# Altium PCB USB3.2_Hub_4Port.PcbDoc (part 4 of 4) (continued)
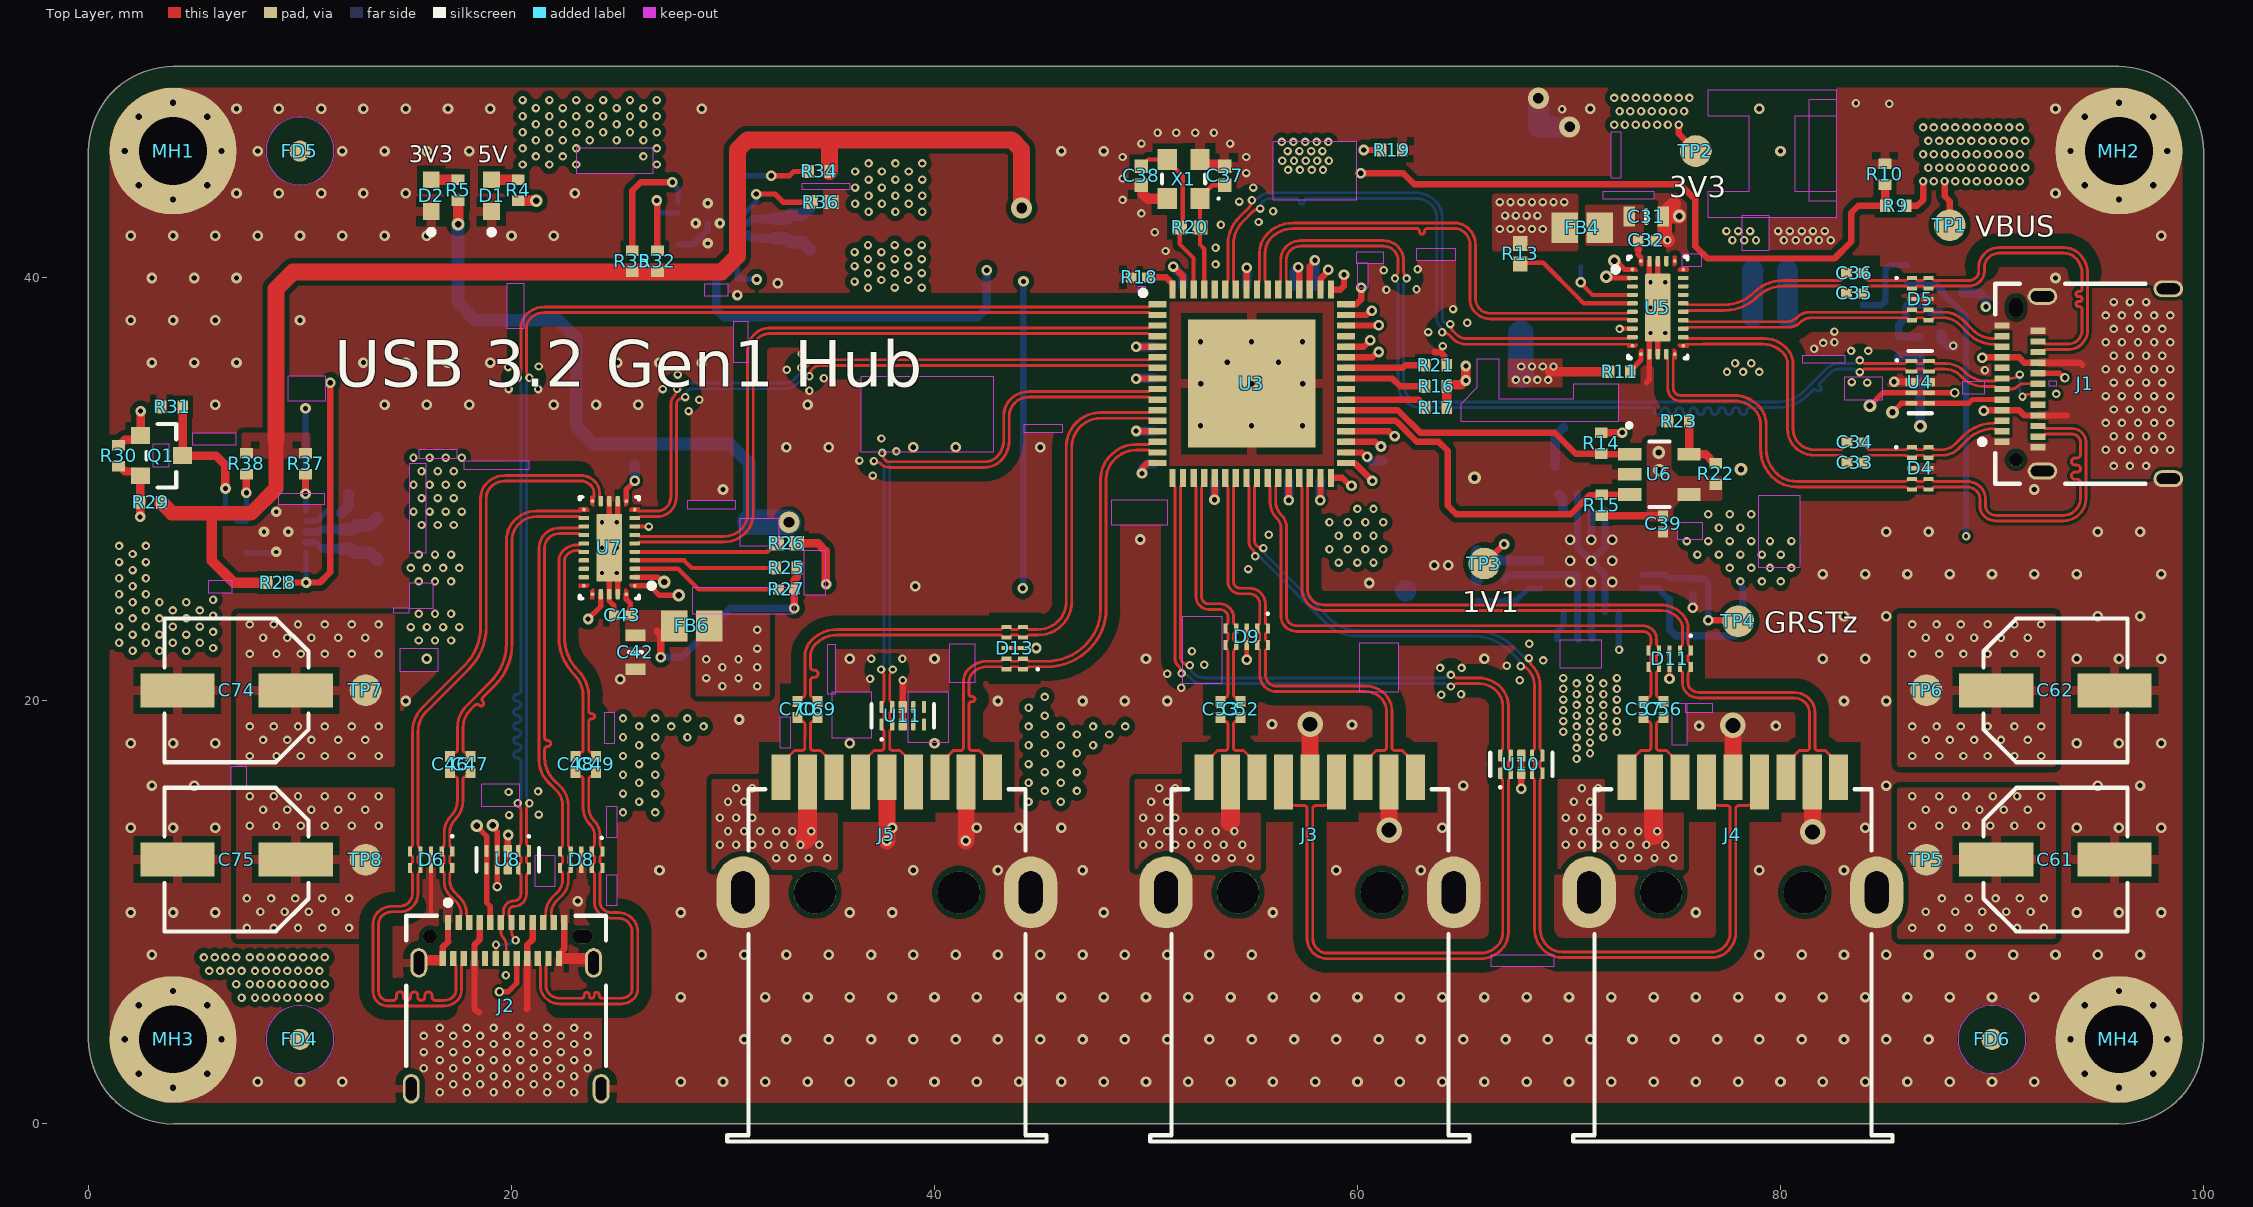
[diagram p0: Top Layer view]
## Nets (pads, with @x,y where several pads share a name; then routed paths per layer and width w, separated by ;. In a path a pad name is that pad's centre, name@x,y a point inside that pad or via, vN(x,y) a via of type N, cw(c..) or ccw(c..) an arc to the next point about the centre after c; other vN are vias at no path point) (continued)
pads on no net: FD1. FD2. FD3. FD4. FD5. FD6. J1. J1.A8 J1.B8 J2. J2.A8 J2.B8 J3.MH1 J3.MH2 J4.MH1 J4.MH2 J5.MH1 J5.MH2 U3.40 U3.45 U3.60 U5.3 U5.22 U5.23 U5.24 U5.25 U5.26 U5.27 U7.22 U7.23 U7.24 U7.25 U7.26 U11.4 U11.5 U11.6 U11.7

## Polygon pours and split planes (outlines as drawn)
DN4_VBUS on Bottom Layer "NONET_L-01_P-001" (solid, pour order 40): 68.275,16.688 73.228,16.688 73.304,16.764 73.304,21.565 73.228,21.641 69.164,21.641 68.275,20.752
GND on Bottom Layer "NONET_L-01_P-001" (solid, remove dead copper, pour order 60): 0,50.013 0,0 99.873,0 99.873,50
3V3_VDD on Bottom Layer "NONET_L-01_P-001" (solid, pour order 8): 72.238,29.642 80.899,29.642 80.899,25.095 80.832,25.028 77.114,25.019 77.013,25.121 77.013,26.289 76.886,26.416 72.695,26.416 72.161,26.949 72.161,29.566
3V3_VDD_F on Bottom Layer "NONET_L-01_P-001" (solid, pour order 56): 64.745,37.758 63.957,36.322 63.957,34.9 64.033,34.823 66.675,34.823 66.751,34.9 66.751,44.831 64.795,44.831 64.795,44.044
3V3_VDD_F on Bottom Layer "NONET_L-01_P-001" (solid, pour order 7): 71.45,46.229 71.45,44.12 71.374,44.044 64.795,44.044 64.135,44.704 56.21,44.704 56.134,44.78 56.134,48.463 56.21,48.539 67.462,48.539 67.564,48.438 67.564,46.229
5V_VBUS on Bottom Layer "NONET_L-01_P-001" (solid, pour order 52): 85.268,40.183 85.268,41.681 86.258,42.672 86.258,47.574 86.335,47.65 91.973,47.65 92.05,47.574 92.05,43.332 91.973,43.256 89.764,43.256 89.484,42.977 89.484,40.183
5V_VBUS on Bottom Layer "NONET_L-01_P-001" (solid, pour order 50): 4.953,26.492 4.953,25.248 6.426,25.248 6.528,25.146 6.528,22.047 6.452,21.971 1.118,21.971 1.016,22.047 1.016,27.762 1.092,27.838 3.15,27.838 3.226,27.762 3.226,26.645 3.378,26.492
5V_VBUS on Bottom Layer "NONET_L-01_P-001" (solid, pour order 49): 20.168,44.831 27.178,44.831 27.33,44.983 27.33,48.92 27.254,48.997 20.168,48.997 20.091,48.92 20.091,44.907
3V3_VDD on Bottom Layer "NONET_L-01_P-001" (solid, pour order 45): 67.107,36.17 69.672,36.17 69.672,34.823 67.107,34.823
DN3_VBUS on Bottom Layer "NONET_L-01_P-001" (solid, pour order 39): 47.445,14.908 47.523,14.986 47.523,16.688 49.733,16.688 49.733,19.329 49.657,19.406 46.761,19.406 45.644,20.523 43.967,20.523 43.891,20.447 43.891,14.986 43.97,14.908
DN1_VBUS on Bottom Layer "NONET_L-01_P-001" (solid, pour order 38): 4.928,8.28 5.004,8.357 12.852,8.357 12.852,5.588 12.776,5.512 4.928,5.512
DN2_VBUS on Bottom Layer "NONET_L-01_P-001" (solid, pour order 37): 27.686,16.688 29.718,16.688 29.743,16.713 29.743,19.583 29.667,19.66 24.663,19.66 24.562,19.558 24.562,14.427 24.663,14.326 27.534,14.326 27.61,14.402 27.61,16.612
NetC44_1 on Bottom Layer "NONET_L-01_P-001" (solid, pour order 36): 26.568,7.976 13.259,7.976 13.259,1.092 13.335,1.016 26.568,1.016 26.645,1.092 26.645,7.899
5V_VBUS on Bottom Layer "NONET_L-01_P-001" (solid, pour order 34): 94.285,40.208 94.361,40.284 97.333,40.284 97.409,40.208 97.409,39.649 98.984,39.649 98.984,30.328 97.384,30.328 97.384,28.778 97.307,28.702 94.361,28.702 94.285,28.778
NetC58_1 on Bottom Layer "NONET_L-01_P-001" (solid, pour order 15): 28.169,41.859 27.127,41.859 27.127,41.427 23.673,41.427 23.673,44.501 25.933,44.501 26.34,44.094 26.34,42.951 26.568,42.723 28.169,42.723
DN4_VBUS on Bottom Layer "NONET_L-01_P-001" (solid, pour order 30): 33.376,42.697 40.081,42.697 40.157,42.774 40.157,45.847 40.081,45.923 35.433,45.923 35.357,45.847 35.357,44.018 35.281,43.942 33.376,43.942
DN3_VBUS on Bottom Layer "NONET_L-01_P-001" (solid, pour order 32): 33.35,41.986 40.056,41.986 40.132,41.91 40.132,38.837 40.056,38.76 35.408,38.76 35.331,38.837 35.331,40.665 35.255,40.742 33.35,40.742
DN2_VBUS on Bottom Layer "NONET_L-01_P-001" (solid, pour order 29): 12.903,28.016 17.932,28.016 18.009,28.092 18.009,31.75 17.907,31.852 14.961,31.852 14.884,31.775 14.884,29.337 14.808,29.261 12.903,29.261
DN1_VBUS on Bottom Layer "NONET_L-01_P-001" (solid, pour order 28): 12.903,27.305 17.932,27.305 18.009,27.229 18.009,22.631 17.907,22.53 14.961,22.53 14.884,22.606 14.884,25.984 14.808,26.06 12.903,26.06
NetC50_2 on Bottom Layer "NONET_L-01_P-001" (solid, pour order 20): 48.275,16.307 56.835,16.307 56.911,16.231 56.911,12.09 56.835,12.014 48.351,12.014 48.275,12.09
NetC67_2 on Bottom Layer "NONET_L-01_P-001" (solid, pour order 22): 28.275,16.307 36.835,16.307 36.911,16.231 36.911,12.09 36.835,12.014 28.351,12.014 28.275,12.09
NetC54_2 on Bottom Layer "NONET_L-01_P-001" (solid, pour order 17): 68.275,16.307 76.835,16.307 76.911,16.231 76.911,12.09 76.835,12.014 68.351,12.014 68.275,12.09
NetC71_1 on Bottom Layer "NONET_L-01_P-001" (solid, pour order 16): 7.976,27.305 6.934,27.305 6.934,26.899 3.48,26.899 3.48,29.947 5.74,29.947 6.071,29.616 6.071,28.473 6.375,28.169 7.976,28.169
3V3_DN_MUX on Bottom Layer "NONET_L-01_P-001" (solid, pour order 13): 30.243,29.183 30.243,27.735 26.078,27.735 26.002,27.811 26.002,29.107 26.078,29.183
3V3_UP_MUX on Bottom Layer "NONET_L-01_P-001" (solid, pour order 11): 68.707,38.125 68.707,36.678 72.873,36.678 72.949,36.754 72.949,38.049 72.873,38.125
1V1_VDD_F on Bottom Layer "NONET_L-01_P-001" (solid, pour order 10): 56.134,28.423 56.236,28.321 57.709,28.321 57.78,28.249 57.78,26.243 57.887,26.136 63.017,26.136 63.017,29.566 59.055,29.566 58.953,29.667 58.953,30.556 58.882,30.632 56.134,30.632
1V1_VDD on Bottom Layer "NONET_L-01_P-001" (solid, pour order 9): 69.342,26.391 69.342,28.321 69.977,28.321 69.977,33.147 63.5,33.147 63.424,33.084 63.424,27.813 63.475,27.762 63.805,27.762 63.805,27.203 63.881,27.127 64.77,27.127 64.897,27 64.897,26.441 64.948,26.391
3V3_VDD on Bottom Layer "NONET_L-01_P-001" (solid, pour order 6): 77.089,42.469 77.14,42.52 79.202,42.52 79.248,42.462 79.248,36.83 80.01,36.83 80.01,35.255 79.959,35.204 77.216,35.204 77.089,35.331
3V3_VDD on Bottom Layer "NONET_L-01_P-001" (solid, pour order 5): 78.511,44.069 78.511,47.676 76.175,47.676 76.175,48.92 76.098,48.997 71.78,48.997 71.704,48.92 71.704,44.145 71.78,44.069
GND on Bottom Layer "NONET_L-01_P-001" (solid, pour order 2): 84.602,39.395 83.007,39.395 82.855,39.243 82.855,36.805 82.677,36.627 82.093,36.627 81.813,36.347 80.264,36.347 80.264,36.805 81.095,36.805 81.255,36.944 81.255,37.414 79.705,37.414 79.705,42.443 79.781,42.52 82.55,42.52 82.626,42.443 82.626,40.335 83.033,39.929 84.583,39.929
NetL1_1 on Bottom Layer "NONET_L-01_P-001" (solid, pour order 3): 84.43,40.259 84.531,40.361 84.531,41.91 85.42,42.799 85.42,47.574 85.293,47.676 81.331,47.676 81.331,42.926 82.909,42.926 82.982,42.647 82.982,40.361 83.083,40.259
NetC44_1 on Top Layer "NONET_L-01_P-001" (solid, remove dead copper, pour order 35): 21.996,7.747 21.996,6.12 24.257,6.12 24.257,0.938 15.24,0.938 15.24,7.747
5V_VBUS on Top Layer "NONET_L-01_P-001" (solid, remove dead copper, pour order 33): 92.175,37.262 93.802,37.262 93.802,39.522 98.984,39.522 98.984,30.505 92.175,30.505
GND on Top Layer "NONET_L-01_P-001" (solid, remove dead copper, pour order 59): 0,50.013 0,0 99.873,0 99.873,50
3V3_VDD_F on Top Layer "NONET_L-01_P-001" (solid, pour order 57): 7.239,32.614 7.315,32.69 10.414,32.69 10.49,32.614 10.49,31.471 7.239,31.471
5V_VBUS on Top Layer "NONET_L-01_P-001" (solid, pour order 51): 70.358,41.275 70.434,41.351 70.434,43.917 70.358,43.993 66.472,43.993 66.37,43.891 66.37,41.351 66.446,41.275
5V_VBUS on Top Layer "NONET_L-01_P-001" (solid, pour order 48): 28.702,24.282 32.131,24.282 32.207,24.206 32.207,20.295 32.131,20.218 28.778,20.218 28.702,20.295
3V3_VDD on Top Layer "NONET_L-01_P-001" (solid, pour order 44): 67.107,36.17 69.672,36.17 69.672,34.823 67.107,34.823
3V3_VDD_F on Top Layer "NONET_L-01_P-001" (solid, pour order 41): 73.685,32.233 73.762,32.309 74.752,32.309 74.828,32.233 74.828,30.988 75.184,30.632 77.165,30.632 77.241,30.556 77.241,29.54 77.165,29.464 75.286,29.464 74.93,29.108 74.93,28.575 74.854,28.499 73.787,28.499 73.685,28.6
DN3_VBUS on Top Layer "NONET_L-01_P-001" (solid, pour order 27): 85.522,15.824 85.598,15.9 92.939,15.9 93.015,15.824 93.015,8.839 92.939,8.763 85.598,8.763 85.522,8.839
DN4_VBUS on Top Layer "NONET_L-01_P-001" (solid, pour order 26): 85.522,24.054 85.598,24.13 92.939,24.13 93.015,24.054 93.015,16.967 92.939,16.891 85.598,16.891 85.522,16.967
DN1_VBUS on Top Layer "NONET_L-01_P-001" (solid, pour order 24): 6.985,24.054 7.061,24.13 14.402,24.13 14.478,24.054 14.478,16.967 14.402,16.891 7.061,16.891 6.985,16.967
DN2_VBUS on Top Layer "NONET_L-01_P-001" (solid, pour order 25): 6.985,15.824 7.061,15.9 14.402,15.9 14.478,15.824 14.478,8.763 7.061,8.763 6.985,8.839
NetC67_2 on Top Layer "NONET_L-01_P-001" (solid, pour order 23): 29.462,16.25 29.519,16.307 31.653,16.307 31.78,16.18 34.669,16.18 34.669,14.726 35.355,14.726 35.431,14.65 35.431,12.009 29.462,12.014
NetC50_2 on Top Layer "NONET_L-01_P-001" (solid, pour order 21): 49.462,16.25 49.519,16.307 51.653,16.307 51.78,16.18 54.669,16.18 54.669,14.726 55.355,14.726 55.431,14.65 55.431,12.009 49.462,12.014
NetC54_2 on Top Layer "NONET_L-01_P-001" (solid, pour order 18): 69.462,16.25 69.519,16.307 71.653,16.307 71.78,16.18 74.669,16.18 74.669,14.726 75.355,14.726 75.431,14.65 75.431,12.009 69.462,12.014
5V_DN_MUX on Top Layer "NONET_L-01_P-001" (solid, pour order 14): 28.312,22.809 28.312,24.282 25.375,24.282 25.375,22.809
5V_UP_MUX on Top Layer "NONET_L-01_P-001" (solid, pour order 12): 73.533,41.529 73.533,43.409 73.482,43.459 70.815,43.459 70.764,43.409 70.764,41.58 70.815,41.529
GND on Int2 (Sign) "NONET_L-01_P-001" (solid, remove dead copper, pour order 62): 0,50.013 0,0 99.873,0 99.873,50
3V3_VDD_F on Int2 (Sign) "NONET_L-01_P-001" (solid, pour order 46): 65.557,36.22 65.481,36.297 62.255,36.297 62.179,36.22 62.179,32.309 50.089,32.309 47.523,29.743 65.557,29.743
3V3_VDD_F on Int2 (Sign) "NONET_L-01_P-001" (solid, pour order 55): 58.928,46.711 58.928,39.268 41.554,39.268 41.478,39.345 41.478,45.136 41.554,45.212 56.134,45.212 56.134,46.711 56.21,46.787 58.852,46.787
3V3_VDD on Int2 (Sign) "NONET_L-01_P-001" (solid, pour order 53): 76.175,48.997 71.831,48.997 71.704,48.87 71.704,42.164 74.193,39.675 75.057,39.675 75.057,35.281 75.184,35.154 79.502,35.154 79.629,35.281 79.629,42.545 79.553,42.621 76.622,42.621 76.302,42.85 76.302,48.87
3V3_VDD on Int2 (Sign) "NONET_L-01_P-001" (solid, pour order 47): 66.656,36.449 66.732,36.525 70.053,36.525 70.155,36.449 70.155,24.155 70.054,24.054 44.704,24.054 44.704,26.162 44.45,26.416 31.496,26.416 31.42,26.492 31.42,29.21 31.521,29.286 63.906,29.286 66.656,32.036
GND on Int4 (GND) (split plane): 96.249,49.483 96.497,49.456 96.742,49.412 96.984,49.35 97.22,49.272 97.45,49.176 97.673,49.065 97.888,48.937 98.092,48.795 98.287,48.639 98.469,48.469 98.639,48.287 98.795,48.092 98.937,47.888 99.065,47.673 99.176,47.45 99.272,47.22 99.35,46.984 99.412,46.742 99.456,46.497 99.483,46.249 99.491,46.016 99.49,46 99.49,4 99.491,3.984 99.483,3.751 99.456,3.503 99.412,3.258 99.35,3.016 99.272,2.78 99.176,2.55 99.065,2.327 98.937,2.112 98.795,1.908 98.639,1.713 98.469,1.531 98.287,1.361 98.092,1.205 97.888,1.063 97.673,0.935 97.45,0.824 97.22,0.728 96.984,0.65 96.742,0.588 96.497,0.544 96.249,0.517 96.016,0.509 96,0.51 4,0.51 3.984,0.509 3.751,0.517 3.503,0.544 3.258,0.588 3.016,0.65 2.78,0.728 2.55,0.824 2.327,0.935 2.112,1.063 1.908,1.205 1.713,1.361 1.531,1.531 1.361,1.713 1.205,1.908 1.063,2.112 0.935,2.327 0.824,2.55 0.728,2.78 0.65,3.016 0.588,3.258 0.544,3.503 0.517,3.751 0.509,3.984 0.51,4 0.51,46 0.509,46.016 0.517,46.249 0.544,46.497 0.588,46.742 0.65,46.984 0.728,47.22 0.824,47.45 0.935,47.673 1.063,47.888 1.205,48.092 1.361,48.287 1.531,48.469 1.713,48.639 1.908,48.795 2.112,48.937 2.327,49.065 2.55,49.176 2.78,49.272 3.016,49.35 3.258,49.412 3.503,49.456 3.751,49.483 3.984,49.491 4,49.49 96,49.49 96.016,49.491
DN1_VBUS on Int3 (PWR) (split plane): 18.213,27.094 18.213,18.626 16.172,16.585 7.239,16.585 7.187,16.578 7.138,16.558 7.096,16.526 6.461,15.891 6.429,15.849 6.409,15.8 6.402,15.748 6.402,8.89 6.409,8.838 6.429,8.789 6.461,8.747 6.969,8.239 7.011,8.207 7.06,8.187 7.112,8.18 13.759,8.18 14.276,7.663 14.276,0.51 4,0.51 3.984,0.509 3.751,0.517 3.503,0.544 3.258,0.588 3.016,0.65 2.78,0.728 2.55,0.824 2.327,0.935 2.112,1.063 1.908,1.205 1.713,1.361 1.531,1.531 1.361,1.713 1.205,1.908 1.063,2.112 0.935,2.327 0.824,2.55 0.728,2.78 0.65,3.016 0.588,3.258 0.544,3.503 0.517,3.751 0.509,3.984 0.51,4 0.51,21.515 5.588,21.515 5.64,21.522 5.689,21.542 5.731,21.574 6.493,22.336 6.525,22.378 6.545,22.427 6.552,22.479 6.552,23.919 6.942,24.309 13.97,24.309 14.022,24.316 14.071,24.336 14.113,24.368 14.748,25.003 14.78,25.045 14.8,25.094 14.807,25.146 14.807,27.484 17.823,27.484
DN3_VBUS on Int3 (PWR) (split plane): 42.216,41.064 42.216,23.76 42.223,23.708 42.243,23.659 42.275,23.617 46.604,19.288 46.646,19.256 46.695,19.236 46.747,19.229 58.463,19.229 59.234,18.458 59.234,10.668 59.234,9.017 59.241,8.965 59.261,8.916 59.293,8.874 60.055,8.112 60.079,8.094 60.097,8.08 60.117,8.072 60.146,8.06 60.198,8.053 61.849,8.053 79.883,8.053 79.935,8.06 79.984,8.08 80.026,8.112 80.661,8.747 80.693,8.789 80.713,8.838 80.72,8.89 80.72,15.537 81.364,16.181 99.49,16.181 99.49,4 99.491,3.984 99.483,3.751 99.456,3.503 99.412,3.258 99.35,3.016 99.272,2.78 99.176,2.55 99.065,2.327 98.937,2.112 98.795,1.908 98.639,1.713 98.469,1.531 98.287,1.361 98.092,1.205 97.888,1.063 97.673,0.935 97.45,0.824 97.22,0.728 96.984,0.65 96.742,0.588 96.497,0.544 96.249,0.517 96.016,0.509 96,0.51 35.381,0.51 35.381,38.608 35.381,42.089 41.191,42.089
DN2_VBUS on Int3 (PWR) (split plane): 23.42,31.666 23.42,21.717 23.427,21.665 23.447,21.616 23.479,21.574 25.511,19.542 25.553,19.51 25.602,19.49 25.654,19.483 34.977,19.483 34.977,0.51 14.68,0.51 14.68,7.747 14.673,7.799 14.653,7.848 14.621,7.89 13.986,8.525 13.944,8.557 13.895,8.577 13.843,8.584 7.196,8.584 6.806,8.974 6.806,15.664 7.323,16.181 16.256,16.181 16.308,16.188 16.357,16.208 16.399,16.24 18.558,18.399 18.59,18.441 18.596,18.455 18.61,18.49 18.617,18.542 18.617,27.178 18.61,27.23 18.59,27.279 18.558,27.321 18.05,27.829 18.008,27.861 17.959,27.881 17.907,27.888 14.807,27.888 14.807,32.047 15.07,32.31 22.776,32.31
5V_VBUS on Int3 (PWR) (split plane): 96.249,49.483 96.497,49.456 96.742,49.412 96.984,49.35 97.22,49.272 97.45,49.176 97.673,49.065 97.888,48.937 98.092,48.795 98.287,48.639 98.469,48.469 98.639,48.287 98.795,48.092 98.937,47.888 99.065,47.673 99.176,47.45 99.272,47.22 99.35,46.984 99.412,46.742 99.456,46.497 99.483,46.249 99.491,46.016 99.49,46 99.49,25.221 84.149,25.221 84.149,40.767 84.142,40.819 84.122,40.868 84.09,40.91 83.074,41.926 83.032,41.958 82.983,41.978 82.931,41.985 54.483,41.985 54.431,41.978 54.382,41.958 54.34,41.926 53.832,41.418 53.8,41.376 53.78,41.327 53.773,41.275 53.773,39.962 53.256,39.445 48.716,39.445 48.716,45.339 48.709,45.391 48.689,45.44 48.657,45.482 48.022,46.117 47.98,46.149 47.931,46.169 47.879,46.176 35.687,46.176 35.635,46.169 35.586,46.149 35.544,46.117 35.036,45.609 35.004,45.567 34.984,45.518 34.977,45.466 34.977,38.608 34.977,19.887 25.738,19.887 23.824,21.801 23.824,31.75 23.817,31.802 23.797,31.851 23.765,31.893 23.003,32.655 22.961,32.687 22.912,32.707 22.86,32.714 14.986,32.714 14.934,32.707 14.885,32.687 14.843,32.655 14.462,32.274 14.43,32.232 14.41,32.183 14.403,32.131 14.403,27.686 14.403,25.23 13.886,24.713 6.858,24.713 6.806,24.706 6.757,24.686 6.715,24.654 6.207,24.146 6.175,24.104 6.155,24.055 6.148,24.003 6.148,22.563 5.504,21.919 0.51,21.919 0.51,46 0.509,46.016 0.517,46.249 0.544,46.497 0.588,46.742 0.65,46.984 0.728,47.22 0.824,47.45 0.935,47.673 1.063,47.888 1.205,48.092 1.361,48.287 1.531,48.469 1.713,48.639 1.908,48.795 2.112,48.937 2.327,49.065 2.55,49.176 2.78,49.272 3.016,49.35 3.258,49.412 3.503,49.456 3.751,49.483 3.984,49.491 4,49.49 96,49.49 96.016,49.491
1V1_VDD_F on Int3 (PWR) (split plane): 59.234,35.115 59.234,31.115 59.241,31.063 59.261,31.014 59.293,30.972 60.055,30.21 60.097,30.178 60.146,30.158 60.198,30.151 61.257,30.151 61.774,29.634 61.774,29.21 61.774,25.221 53.043,25.221 52.399,25.865 52.399,30.988 52.392,31.04 52.372,31.089 52.34,31.131 51.705,31.766 51.663,31.798 51.614,31.818 51.562,31.825 49.36,31.825 48.716,32.469 48.716,38.608 48.716,39.041 53.34,39.041 53.392,39.048 53.441,39.068 53.483,39.1 54.118,39.735 54.15,39.777 54.17,39.826 54.177,39.878 54.177,41.191 54.567,41.581 59.234,41.581
DN4_VBUS on Int3 (PWR) (split plane): 48.312,45.255 48.312,38.608 48.312,32.385 48.319,32.333 48.339,32.284 48.371,32.242 49.133,31.48 49.175,31.448 49.224,31.428 49.276,31.421 51.478,31.421 51.995,30.904 51.995,25.781 52.002,25.729 52.022,25.68 52.054,25.638 52.816,24.876 52.858,24.844 52.907,24.824 52.959,24.817 99.49,24.817 99.49,16.585 81.28,16.585 81.228,16.578 81.179,16.558 81.137,16.526 80.375,15.764 80.343,15.722 80.323,15.673 80.316,15.621 80.316,8.974 79.799,8.457 61.849,8.457 60.282,8.457 59.638,9.101 59.638,10.668 59.638,18.542 59.631,18.594 59.611,18.643 59.579,18.685 58.69,19.574 58.648,19.606 58.599,19.626 58.547,19.633 46.831,19.633 42.62,23.844 42.62,41.148 42.613,41.2 42.593,41.249 42.561,41.291 41.418,42.434 41.376,42.466 41.327,42.486 41.275,42.493 35.381,42.493 35.381,45.382 35.771,45.772 47.795,45.772
3V3_VDD_F on Int3 (PWR) (split plane): 66.219,35.052 66.226,35 66.246,34.951 66.278,34.909 67.548,33.639 67.59,33.607 67.639,33.587 67.691,33.58 73.449,33.58 74.601,32.428 74.601,25.221 62.178,25.221 62.178,29.21 62.178,29.718 62.171,29.77 62.151,29.819 62.119,29.861 61.484,30.496 61.442,30.528 61.393,30.548 61.341,30.555 60.282,30.555 59.638,31.199 59.638,35.115 59.638,41.581 66.219,41.581
3V3_VDD on Int3 (PWR) (split plane): 83.745,40.683 83.745,25.221 75.005,25.221 75.005,32.512 74.998,32.564 74.978,32.613 74.946,32.655 73.676,33.925 73.634,33.957 73.585,33.977 73.533,33.984 67.775,33.984 66.623,35.136 66.623,41.581 82.847,41.581
GND on Int1 (GND) (split plane): 96.249,49.483 96.497,49.456 96.742,49.412 96.984,49.35 97.22,49.272 97.45,49.176 97.673,49.065 97.888,48.937 98.092,48.795 98.287,48.639 98.469,48.469 98.639,48.287 98.795,48.092 98.937,47.888 99.065,47.673 99.176,47.45 99.272,47.22 99.35,46.984 99.412,46.742 99.456,46.497 99.483,46.249 99.491,46.016 99.49,46 99.49,4 99.491,3.984 99.483,3.751 99.456,3.503 99.412,3.258 99.35,3.016 99.272,2.78 99.176,2.55 99.065,2.327 98.937,2.112 98.795,1.908 98.639,1.713 98.469,1.531 98.287,1.361 98.092,1.205 97.888,1.063 97.673,0.935 97.45,0.824 97.22,0.728 96.984,0.65 96.742,0.588 96.497,0.544 96.249,0.517 96.016,0.509 96,0.51 4,0.51 3.984,0.509 3.751,0.517 3.503,0.544 3.258,0.588 3.016,0.65 2.78,0.728 2.55,0.824 2.327,0.935 2.112,1.063 1.908,1.205 1.713,1.361 1.531,1.531 1.361,1.713 1.205,1.908 1.063,2.112 0.935,2.327 0.824,2.55 0.728,2.78 0.65,3.016 0.588,3.258 0.544,3.503 0.517,3.751 0.509,3.984 0.51,4 0.51,46 0.509,46.016 0.517,46.249 0.544,46.497 0.588,46.742 0.65,46.984 0.728,47.22 0.824,47.45 0.935,47.673 1.063,47.888 1.205,48.092 1.361,48.287 1.531,48.469 1.713,48.639 1.908,48.795 2.112,48.937 2.327,49.065 2.55,49.176 2.78,49.272 3.016,49.35 3.258,49.412 3.503,49.456 3.751,49.483 3.984,49.491 4,49.49 96,49.49 96.016,49.491

## Keep-outs
Top Layer:
  circle w0.05: c90,4 r1.6
  circle w0.05: c10,46 r1.6
  circle w0.05: c10,4 r1.6
  rectangle: 44.209,32.711 46.076,33.071
  rectangle: 4.902,32.106 6.98,32.664
  rectangle: 15.624,31.471 17.424,31.881
  rectangle: 17.743,30.963 20.842,31.34
  rectangle: 28.321,29.083 30.607,29.475
  rectangle: 30.489,36.01 31.191,37.922
  region: 82.654,48.438 81.345,48.438 81.345,43.663 82.654,43.663
  region: 79.477,42.951 78.168,42.951 78.168,41.3 79.477,41.3
  region: 72.466,46.888 71.971,46.888 71.971,44.729 72.466,44.729
  region: 64.646,41.377 62.776,41.377 62.776,40.843 64.646,40.843
  region: 60.515,39.548 60.515,40.691 59.981,40.691 59.981,39.548
  rectangle: 59.944,40.691 61.252,41.224
  rectangle: 78.943,26.314 80.924,29.693
  rectangle: 75.111,27.649 76.327,28.416
  rectangle: 66.294,7.468 69.291,7.976
  rectangle: 48.362,28.321 51.029,29.494
  rectangle: 14.402,24.181 15.167,24.389
  rectangle: 15.167,24.391 16.31,25.564
  rectangle: 15.167,27.014 15.977,31.205
  rectangle: 5.664,25.116 6.807,25.679
  rectangle: 8.966,29.29 11.176,29.794
  rectangle: 9.423,34.184 11.227,35.357
  rectangle: 23.063,44.954 26.695,46.126
  rectangle: 29.109,39.155 30.252,39.714
  rectangle: 19.77,37.623 20.599,39.726
  rectangle: 49.609,39.243 49.99,39.578
  rectangle: 55.996,43.688 59.958,46.431
  rectangle: 60.071,20.447 61.955,22.733
  rectangle: 33.731,44.196 36.017,44.45
  rectangle: 83.007,34.239 84.836,35.302
  rectangle: 81.026,35.992 83.049,36.322
  rectangle: 18.567,15.011 20.396,16.074
  rectangle: 3.048,31.064 3.81,32.127
  rectangle: 75.498,19.469 76.784,19.863
  rectangle: 74.854,17.927 75.59,19.863
  rectangle: 14.707,21.412 16.535,22.475
  rectangle: 6.731,15.9 7.493,16.891
  rectangle: 21.107,11.247 22.073,12.675
  rectangle: 24.486,10.332 24.994,11.76
  rectangle: 24.486,13.564 24.994,14.992
  rectangle: 24.38,18.006 24.888,19.434
  rectangle: 32.69,17.793 33.198,19.221
  rectangle: 34.925,20.345 35.331,22.657
  rectangle: 40.691,20.883 41.935,22.682
  rectangle: 36.525,31.775 42.799,35.331
  rectangle: 33.814,25.023 34.855,27.096
  rectangle: 28.55,24.13 33.377,25.349
  rectangle: 30.781,27.33 32.664,28.626
  rectangle: 38.735,18.059 40.665,20.422
  rectangle: 35.15,18.263 37.033,20.422
  rectangle: 51.711,20.836 53.595,23.979
  rectangle: 88.591,34.519 89.662,35.103
  rectangle: 71.603,43.734 74.041,44.069
  rectangle: 75.332,40.564 76.276,41.127
  rectangle: 92.675,34.9 93.066,35.128
  rectangle: 69.571,21.565 71.552,22.86
  region: 64.897,33.198 64.897,34.061 65.659,34.823 65.659,36.17 66.675,36.17 66.675,34.29 70.231,34.29 70.231,35.001 72.339,35.001 72.339,33.203
Int2 (Sign):
  rectangle: 82.245,43.79 82.654,48.391
  rectangle: 43.759,24.663 44.45,26.157
  rectangle: 30.824,22.066 31.169,22.425
  rectangle: 31.238,20.93 32.008,23.111
  rectangle: 29.595,21.869 30.48,22.228
  rectangle: 27.182,18.031 28.195,18.39
  rectangle: 24.888,14.91 25.273,18.92
  rectangle: 26.797,14.859 27.182,18.031
  rectangle: 25.53,14.347 26.543,14.707
  rectangle: 25.53,19.101 28.321,19.562
  rectangle: 65.913,41.961 66.704,49.098
  rectangle: 20.828,45.107 26.446,45.593
  rectangle: 26.518,43.616 27.457,45.568
  rectangle: 20.168,45.618 21.107,49.225
  rectangle: 10.902,33.401 11.842,35.353
  rectangle: 95.217,31.826 96.258,38.227
  rectangle: 98.069,31.679 99.111,38.425
  rectangle: 95.447,31.115 97.638,31.877
  rectangle: 85.827,13.84 92.71,15.751
  rectangle: 85.827,17.142 92.71,19.053
  rectangle: 85.827,21.968 92.71,23.879
  rectangle: 7.214,9.014 12.7,10.925
  rectangle: 7.214,13.84 14.097,15.751
  rectangle: 7.214,17.142 14.097,19.053
  rectangle: 7.214,21.968 14.097,23.879
  rectangle: 6.338,27.615 6.954,29.637
  rectangle: 1.29,32.93 4.191,33.457
  rectangle: 24.663,20.65 25.73,21.488
  rectangle: 64.289,39.449 65.634,39.903
  rectangle: 59.741,38.754 60.399,39.209
  rectangle: 41.239,38.687 44.49,39.141
  rectangle: 28.854,44.729 34.265,46.761
  rectangle: 30.15,47.955 36.881,48.514
  region: 85.848,9.014 92.837,9.014 92.837,10.871 87.276,10.871
Bottom Layer:
  circle w0.05: c90,4 r1.6
  circle w0.05: c10,46 r1.6
  circle w0.05: c10,4 r1.6
  rectangle: 18.085,27.318 18.237,28.03
  rectangle: 85.582,47.065 86.115,49.149
  rectangle: 56.083,48.768 67.716,49.225
  rectangle: 27.686,14.142 28.016,16.485
  rectangle: 7.137,9.014 12.7,10.925
  rectangle: 7.29,13.84 14.046,15.751
  rectangle: 7.29,17.142 14.046,19.053
  rectangle: 7.29,21.968 14.046,23.879
  rectangle: 12.37,25.971 12.776,26.518
  rectangle: 34.315,38.43 34.849,39.014
  rectangle: 40.335,40.03 42.469,40.742
  rectangle: 55.963,27.457 56.617,28.169
  rectangle: 59.436,24.048 59.969,25.832
  rectangle: 76.906,34.492 80.259,35.204
  rectangle: 72.746,22.657 75.514,23.47
  rectangle: 65.06,23.597 65.593,24.308
  rectangle: 67.742,22.352 69.012,23.063
  rectangle: 63.177,26.944 63.71,27.655
  rectangle: 47.523,14.649 48.184,15.36
  rectangle: 84.757,38.197 85.29,38.532
  rectangle: 85.175,37.65 85.522,38.361
  rectangle: 85.192,36.398 85.725,37.109
  rectangle: 85.903,13.84 92.714,15.751
  rectangle: 85.903,17.142 92.714,19.053
  rectangle: 85.903,21.968 92.659,23.879
  rectangle: 87.986,37.948 88.519,38.659
  rectangle: 86.487,37.389 87.02,38.1
  rectangle: 88.925,38.329 89.459,38.786
  rectangle: 89.205,39.522 89.743,40.157
  rectangle: 91.755,47.673 92.289,48.963
  rectangle: 39.878,41.986 40.411,42.697
  region: 85.848,9.014 92.837,9.014 92.837,10.871 87.276,10.871

## Other copper
Int3 (PWR) (plane layer: these items are gaps in the copper):
  lines w0.4: 0,21.971 0.254,21.717 5.588,21.717 6.35,22.479 6.35,24.003 6.858,24.511 10.414,24.511 13.97,24.511 14.605,25.146 14.605,27.686 ; 14.478,0 14.478,7.747 13.843,8.382 7.112,8.382 6.604,8.89 6.604,15.748 7.239,16.383 14.351,16.383 16.256,16.383 18.415,18.542 18.415,27.178 17.907,27.686 17.526,27.686 14.605,27.686 ; 35.179,0.127 35.179,38.608 35.179,45.466 35.687,45.974 47.879,45.974 48.514,45.339 48.514,38.608 48.514,32.385 49.276,31.623 51.562,31.623 52.197,30.988 52.197,25.781 52.959,25.019 61.976,25.019 ; 35.179,19.685 25.654,19.685 23.622,21.717 23.622,31.75 22.86,32.512 14.986,32.512 14.605,32.131 14.605,27.686 ; 35.179,42.291 41.275,42.291 42.418,41.148 42.418,23.76 46.747,19.431 46.863,19.431 47.625,19.431 58.547,19.431 59.436,18.542 59.436,10.668 59.436,9.017 60.198,8.255 61.849,8.255 79.883,8.255 80.518,8.89 80.518,15.621 81.28,16.383 99.949,16.383 ; 48.514,39.243 53.34,39.243 53.975,39.878 53.975,41.275 54.483,41.783 58.801,41.783 82.931,41.783 83.947,40.767 83.947,25.146 ; 59.436,41.783 59.436,35.115 59.436,31.115 60.198,30.353 61.341,30.353 61.976,29.718 61.976,29.21 61.976,25.019 ; 66.421,41.783 66.421,35.052 67.691,33.782 73.533,33.782 74.803,32.512 74.803,25.019 ; 99.949,24.765 99.695,25.019 61.976,25.019

## Silkscreen, mask and mechanical layers (free items; w line width, h text height)
Top Overlay:
  text "3V3" at 15.15,45.447 h0.8
  text "5V" at 18.4,45.448 h0.8
  text "3V3" at 74.749,43.812 h1
  text "VBUS" at 89.202,41.958 h1
  text "USB 3.2 Gen1 Hub" at 11.626,34.867 h2.2
  text "1V1" at 64.945,24.203 h1
  text "GRSTz" at 79.219,23.238 h1
Bottom Overlay:
  text "Rev 1.0 June 2026" at 54.82,3.18 h0.8
  text "Designed by  / Alberto Marrone" at 82.5,3 h1.2
Mechanical 1:
  the board outline again, w0.1